# Altium PCB AGV.PcbDoc (part 2 of 2)
Units mil, origin at the board's own origin, x right, y up, seen from the top; angles counter-clockwise.
Board outline 3930 x 3440 mil, 2 copper layers (Top Layer, Bottom Layer); 202 components, 111 nets, 673 pads, 143 vias.
Unrouted connection lines stored in the file: 5.
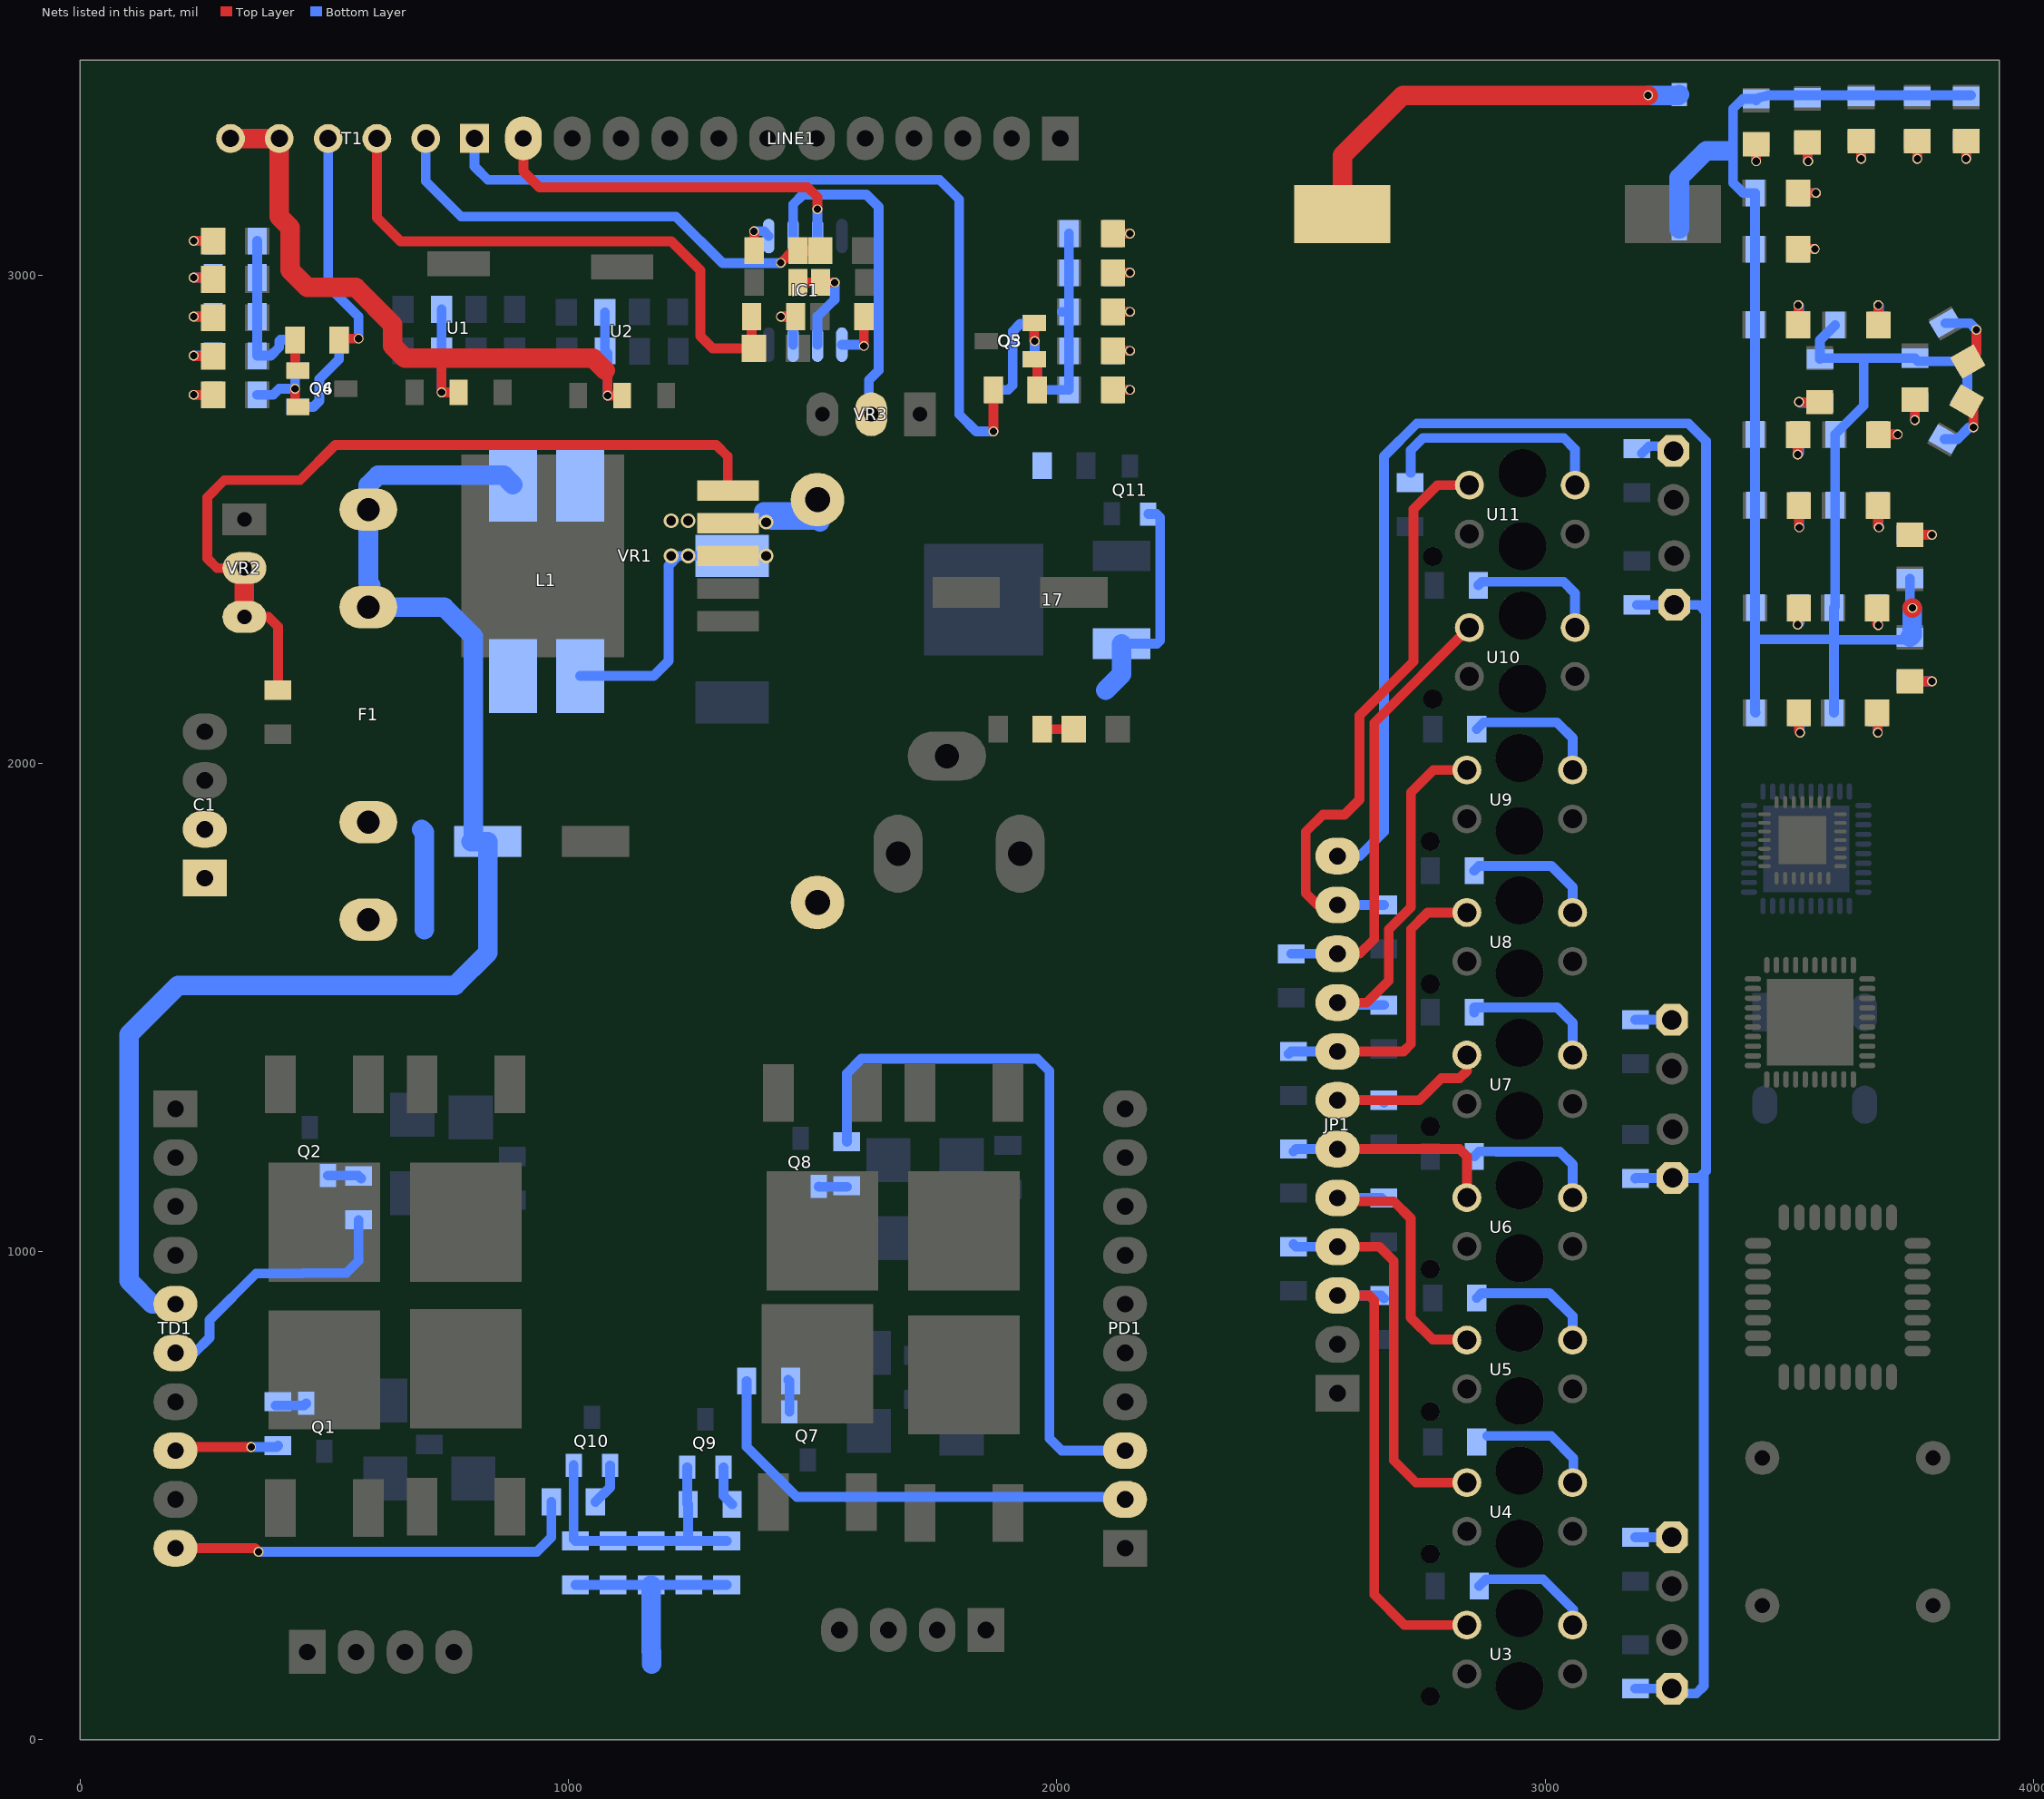
[diagram p2: the nets of this part, all layers, seen from the top]

## Via types
v1: diameter 20, hole 15, Top Layer to Bottom Layer, 87 vias
v2: diameter 30, hole 15, Top Layer to Bottom Layer, 27 vias
v3: diameter 30, hole 20, Top Layer to Bottom Layer, 16 vias
v4: diameter 25.98, hole 12.99, Top Layer to Bottom Layer, tented top, 4 vias
v5: diameter 200, hole 150, Top Layer to Bottom Layer, 4 vias
v6: diameter 50, hole 50, Top Layer to Bottom Layer, 2 vias
v7: diameter 160, hole 120, Top Layer to Bottom Layer, 2 vias
v8: diameter 100, hole 80, Top Layer to Bottom Layer, 1 vias

## Nets (pads, with @x,y where several pads share a name; then routed paths per layer and width w, separated by ;. In a path a pad name is that pad's centre, name@x,y a point inside that pad or via, vN(x,y) a via of type N, cw(c..) or ccw(c..) an arc to the next point about the centre after c; other vN are vias at no path point) (continued)
Net17_3: 17.3 Q11.3 R38.1 | length 469.4
  Bottom Layer w20: 17.3@2132.68,2245 2205,2245 2211.73,2251.73 2211.73,2503.27 2204.21,2510.79 Q11.3@2187.4,2510.79
  Bottom Layer w40: 2100,2150 2132.68,2182.68 17.3@2132.68,2245
NetBT1_1: BT1.1 SW1.1 | length 861.8
  Top Layer w40: BT1.1@2585,3125 2585,3245 2708.31,3368.31 v1(3211.27,3368.31)
  Bottom Layer w40: v1(3211.27,3368.31) 3273.31,3368.31 SW1.1@3275,3370
NetC1_1: C1.1 C1.2 F1.1 | length 208
  Bottom Layer w40: 699.37,1865 705,1859.37 705,1659.37
NetC4_1: C4.1 F1.2 L1.1 L1.2 R38.2 TD1.5 VR1.4 | length 3166.4
  Bottom Layer w40: TD1.5@195,892.5 147.5,892.5 100,940 100,1445 200,1545 767.5,1545 834.53,1612.03 C4.1@834.53,1840 C4.1@805,1840 ; C4.1@800,1840 C4.1@805,1840 ; L1.1@886.1,2570.87 866.97,2590 610,2590 590,2570 F1.2@590,2520 590,2370 595,2365 595,2324.63 590,2319.63 745.37,2319.63 805,2260 C4.1@805,1840 ; R38.2@1515,2495 1515,2498.31 1416.69,2498.31 1400,2515 1495.37,2515 1500,2519.63 1517.5,2502.13 R38.2@1517.5,2500
  other v3: 1405,2493.86 1210,2496.93 1245,2496.93
NetCx5_2: Cx5.2 Cx6.2 Cx7.2 Cx8.2 T1.5 T1.6 U1.2 U2.2 | length 1668.8
  Top Layer w20: 735,2830 740,2825 v1(740,2760) U1.2@775,2760 ; 1075,2804.9 1080,2799.9 v1(1080,2753.31) U2.2@1110,2753.31
  Top Layer w40: T1.6@307.6,3280 T1.5@407.6,3280 407.6,3119.83 430,3097.43 430,3010 465,2975 563.99,2975 640,2898.99 640,2855 665,2830 735,2830 1049.9,2830 1075,2804.9
  Bottom Layer w20: v1(740,2760) Cx6.2@740,2845 Cx5.2@740,2930 ; Cx7.2@1074.37,2923.99 1074.37,2845.63 Cx8.2@1075,2845 1080,2840 v1(1080,2753.31)
NetIC1_1: IC1.1 R14.2 | length 74.1
  Top Layer w20: R14.2@1380,3050 v1(1380,3090)
  Bottom Layer w20: v1(1380,3090) 1400,3090 IC1.1@1410,3080
NetIC1_2: IC1.2 VR3.2 | length 699
  Bottom Layer w20: IC1.2@1460,3080 1460,3145 1480,3165 1610,3165 1635,3140 1635,2805 1615,2785 1615,2715 VR3.2@1620,2710
NetIC1_3: IC1.3 JP1.12 LED15.1 LED17.1 LED19.1 LINE1.12 R39.2 R47.2 R55.2 | length 5346.8
  Top Layer w20: LINE1.12@907.5,3280 907.5,3212.5 940,3180 1490,3180 1510,3160 v1(1510,3135)
  Bottom Layer w20: IC1.3@1510,3080 v1(1510,3135) ; JP1.12@2575,1810 2620,1810 2670,1860 2670,2628.89 2737.57,2696.46 3293.54,2696.46 3330,2660 3330,2310 ; R55.2@3185,105 LED19.1@3260,105 3270,95 3310,95 3325,110 3325,1160 3315.87,1150.87 LED17.1@3261.26,1150.87 3185.87,1150.87 R47.2@3185,1150 ; R39.2@3188.27,2324.8 LED15.1@3264.53,2324.8 3315.2,2324.8 3330,2310 ; 3330,1165 3330,2310
NetIC1_5: IC1.5 R25.2 | length 106.1
  Top Layer w20: v1(1605,2855) R25.2@1605,2915
  Bottom Layer w20: IC1.5@1560,2857.56 1602.44,2857.56 v1(1605,2855)
NetIC1_6: IC1.6 R26.2 R30.1 | length 217.3
  Top Layer w20: R26.2@1470,2985 R30.1@1516.25,2985 v1(1545,2985)
  Bottom Layer w20: IC1.6@1510,2857.56 1510,2915.61 1542.57,2948.19 1543.19,2948.19 1545,2950 v1(1545,2985)
NetIC1_7: IC1.7 R27.2 | length 106.6
  Top Layer w20: v1(1435,2915) R27.2@1465,2915
  Bottom Layer w20: v1(1435,2915) 1450,2915 1460,2905 IC1.7@1460,2857.56
NetJP1_3: JP1.3 R41.2 U3.COLL | length 994.9
  Top Layer w20: JP1.3@2575,910 2640,910 2650,900 2650,297.4 2712.2,235.2 U3.COLL@2840,235.2
  Bottom Layer w20: JP1.3@2575,910 2664.19,910 R41.2@2670,904.19
NetJP1_4: JP1.4 R43.2 U4.COLL | length 796.2
  Top Layer w20: JP1.4@2575,1010 2660.66,1010 2690,980.66 2690,572.5 2735.45,527.05 U4.COLL@2840,527.05
  Bottom Layer w20: R43.2@2485,1015 2490,1010 JP1.4@2575,1010
NetJP1_5: JP1.5 R45.2 U5.COLL | length 601.7
  Top Layer w20: JP1.5@2575,1110 2581.98,1103.02 2690,1103.02 2725,1068.02 2725,864.83 2769.83,820 2838.9,820 U5.COLL@2840,818.9
  Bottom Layer w20: JP1.5@2575,1110 2665,1110 R45.2@2670,1105
NetJP1_6: JP1.6 R50.2 U6.COLL | length 447.5
  Top Layer w20: JP1.6@2575,1210 2825,1210 2840,1195 U6.COLL@2840,1110.75
  Bottom Layer w20: R50.2@2485,1205 2490,1210 JP1.6@2575,1210
NetJP1_7: JP1.7 R52.2 U7.COLL | length 419.5
  Top Layer w20: JP1.7@2575,1310 2742.5,1310 2787.5,1355 2825,1355 2840,1370 U7.COLL@2840,1402.6
  Bottom Layer w20: JP1.7@2575,1310 2665,1310 R52.2@2670,1305
NetJP1_8: JP1.8 R54.2 U8.COLL | length 622.6
  Top Layer w20: JP1.8@2575,1410 2710,1410 2725.51,1425.51 2725.51,1660.51 2759.45,1694.45 U8.COLL@2840,1694.45
  Bottom Layer w20: R54.2@2475,1405 2480,1410 JP1.8@2575,1410
NetJP1_9: JP1.9 R57.2 U9.COLL | length 758.5
  Top Layer w20: JP1.9@2575,1510 2635,1510 2680,1555 2680,1660 2725.51,1705.51 2725.51,1940.51 2771.3,1986.3 U9.COLL@2840,1986.3
  Bottom Layer w20: JP1.9@2575,1510 2580,1505 R57.2@2670,1505
NetJP1_10: JP1.10 R59.2 U10.COLL | length 901.3
  Top Layer w20: JP1.10@2575,1610 2620,1610 2650,1640 2650,2083.15 U10.COLL@2845,2278.15
  Bottom Layer w20: R59.2@2480,1610 JP1.10@2575,1610
NetJP1_11: JP1.11 R61.2 U11.COLL | length 1208.6
  Top Layer w20: JP1.11@2575,1710 2534.44,1710 2510,1734.44 2510,1860 2545,1895 2589.48,1895 2620,1925.52 2620,2098.15 2730.51,2208.66 2730.51,2520.51 2780,2570 U11.COLL@2845,2570
  Bottom Layer w20: JP1.11@2575,1710 R61.2@2670,1710
NetL1_3: L1.3 L1.4 SS1.1 VR1.3 | length 527.2
  Bottom Layer w20: L1.3@1023.9,2179.14 1174.14,2179.14 1205,2210 1205,2405 1225,2425 SS1.1@1335,2425
  other v3: 1210,2425 1245,2425 1405,2425
NetLED1_1: LED1.1 R14.1 T1.2 | length 975.1
  Top Layer w20: v1(1434.76,3025.24) 1459.53,3050 R14.1@1470,3050 LED1.1@1515,3050
  Bottom Layer w20: T1.2@707.6,3280 707.6,3192.4 780,3120 1220,3120 1315.43,3024.57 1434.1,3024.57 v1(1434.76,3025.24)
NetLED2_1: LED2.1 R18.2 | length 70
  Top Layer w20: LED2.1@2115,2925 v1(2150,2925)
  Bottom Layer w20: R18.2@2115,2925 v1(2150,2925)
NetLED3_1: LED3.1 R19.2 | length 70
  Top Layer w20: LED3.1@2115,3085 v1(2150,3085)
  Bottom Layer w20: R19.2@2115,3085 v1(2150,3085)
NetLED4_1: LED4.1 R23.2 | length 81
  Top Layer w20: v1(232.5,2915) 270,2915 LED4.1@272.5,2912.5
  Bottom Layer w20: v1(232.5,2915) R23.2@272.5,2915
NetLED5_1: LED5.1 R24.2 | length 80
  Top Layer w20: v1(232.5,2755) LED5.1@272.5,2755
  Bottom Layer w20: v1(232.5,2755) R24.2@272.5,2755
NetLED6_1: LED6.1 R15.2 | length 70
  Top Layer w20: LED6.1@2115,3005 v1(2150,3005)
  Bottom Layer w20: R15.2@2115,3005 v1(2150,3005)
NetLED7_1: LED7.1 R20.2 | length 81.6
  Top Layer w20: v1(232.5,2995) 268.75,2995 LED7.1@272.5,2991.25
  Bottom Layer w20: v1(232.5,2995) R20.2@272.5,2995
NetLED8_1: LED8.1 R16.2 | length 70
  Top Layer w20: LED8.1@2115,2765 v1(2150,2765)
  Bottom Layer w20: R16.2@2115,2765 v1(2150,2765)
NetLED9_1: LED9.1 R17.2 | length 70
  Top Layer w20: LED9.1@2115,2845 v1(2150,2845)
  Bottom Layer w20: R17.2@2115,2845 v1(2150,2845)
NetLED10_1: LED10.1 R21.2 | length 80
  Top Layer w20: v1(232.5,3070) LED10.1@272.5,3070
  Bottom Layer w20: v1(232.5,3070) R21.2@272.5,3070
NetLED11_1: LED11.1 R22.2 | length 80.5
  Top Layer w20: v1(232.5,2835) 233.75,2833.75 LED11.1@272.5,2833.75
  Bottom Layer w20: v1(232.5,2835) R22.2@272.5,2835
NetLED12_1: LED12.1 R27.1 T1.3 | length 1191.9
  Top Layer w20: T1.3@607.6,3280 607.6,3117.4 655.83,3069.17 1210.83,3069.17 1270,3010 1270,2875 1295,2850 LED12.1@1380,2850 1375,2855 R27.1@1375,2915
NetLED13_1: LED13.1 R36.2 | length 65
  Top Layer w20: R36.2@1970,2070 LED13.1@2035,2070
NetLED14_1: LED14.1 R46.2 | length 83.8
  Bottom Layer w20: R46.2@3198.27,2634.8 3213.47,2650 3233.07,2650 LED14.1@3263.27,2619.8
NetLED16_1: LED16.1 R48.2 | length 75.1
  Bottom Layer w20: R48.2@3185,1475 3185.2,1474.8 LED16.1@3260,1474.8
NetLED18_1: LED18.1 R62.2 | length 75
  Bottom Layer w20: R62.2@3185,415 LED18.1@3260,415
NetLED20_1: LED20.1 R63.2 | length 74.1
  Top Layer w20: v1(3862.5,3238.31) LED20.1@3862.5,3274.61
  Bottom Layer w20: v1(3862.5,3238.31) R63.2@3862.5,3276.11
NetLED21_1: LED21.1 R64.2 | length 74.2
  Top Layer w20: LED21.1@3762.4,3274.61 3762.5,3274.51 v1(3762.5,3238.31)
  Bottom Layer w20: R64.2@3762.4,3276.11 3762.4,3238.41 v1(3762.5,3238.31)
NetLED22_1: LED22.1 R65.2 | length 74.1
  Top Layer w20: v1(3647.5,3238.31) LED22.1@3647.5,3274.61
  Bottom Layer w20: v1(3647.5,3238.31) R65.2@3647.5,3276.11
NetLED23_1: LED23.1 R66.2 | length 79.5
  Top Layer w20: LED23.1@3537.5,3271.76 3537.5,3234.6 v1(3538.79,3233.31)
  Bottom Layer w20: R66.2@3537.5,3273.31 3537.5,3234.6 v1(3538.79,3233.31)
NetLED24_1: LED24.1 R67.2 | length 72.9
  Top Layer w20: v1(3432.5,3233.31) LED24.1@3432.5,3268.31
  Bottom Layer w20: v1(3432.5,3233.31) R67.2@3432.5,3271.18
NetLED25_1: LED25.1 R68.2 | length 70.9
  Top Layer w20: LED25.1@3518.78,3168.31 v1(3555,3168.31)
  Bottom Layer w20: R68.2@3520.28,3168.31 v1(3555,3168.31)
NetLED26_1: 
NetLED27_1: LED27.1 R70.2 | length 66.2
  Top Layer w20: LED27.1@3518.78,3053.31 3519.09,3053.63 v1(3552.5,3053.63)
  Bottom Layer w20: R70.2@3520.28,3053.31 3552.18,3053.31 v1(3552.5,3053.63)
NetLED28_1: LED28.1 R71.2 | length 81.2
  Top Layer w20: LED28.1@3518.78,2898.31 v1(3518.78,2938.57)
  Bottom Layer w20: v1(3518.78,2938.57) 3520.28,2937.08 R71.2@3520.28,2898.31
NetLED29_1: LED29.1 R72.2 | length 82.5
  Top Layer w20: LED29.1@3682.5,2897.63 v1(3682.5,2938.57)
  Bottom Layer w20: v1(3682.5,2938.57) 3684,2937.08 R72.2@3684,2897.63
NetLED30_1: LED30.1 R73.2 | length 78.4
  Top Layer w20: v1(3757.5,2703.31) LED30.1@3757.5,2745
  Bottom Layer w20: v1(3757.5,2703.31) R73.2@3757.5,2740
NetLED31_1: LED31.1 R74.2 | length 78.3
  Top Layer w20: LED31.1@3682.5,2673.31 3721.77,2673.31 v1(3722.27,2673.81)
  Bottom Layer w20: R74.2@3684,2673.81 v1(3722.27,2673.81)
NetLED32_1: LED32.1 R75.2 | length 83.7
  Top Layer w20: v1(3517.5,2632.53) 3517.5,2672.03 LED32.1@3518.78,2673.31
  Bottom Layer w20: v1(3517.5,2632.53) 3520.28,2635.3 R75.2@3520.28,2673.81
NetLED33_1: LED33.1 R76.2 | length 86.2
  Top Layer w20: v1(3520.28,2740.47) 3520.75,2740 LED33.1@3562.5,2740
  Bottom Layer w20: v1(3520.28,2740.47) 3522.44,2738.31 R76.2@3563.18,2738.31
NetLED34_1: LED34.1 R77.2 | length 141.7
  Top Layer w20: LED34.1@3866.06,2823.31 3883.75,2841 v1(3883.75,2888.31)
  Bottom Layer w20: R77.2@3819.92,2901.6 3870.46,2901.6 v1(3883.75,2888.31)
NetLED35_1: LED35.1 R78.2 | length 127.7
  Top Layer w20: LED35.1@3863.56,2741.25 3877.5,2727.31 v1(3877.5,2688.31)
  Bottom Layer w20: R78.2@3818.49,2664.34 3844.93,2664.34 3868.9,2688.31 v1(3877.5,2688.31)
NetLED36_1: LED36.1 R79.2 | length 91.1
  Top Layer w20: LED36.1@3519.79,2528.31 3519.79,2484.26 v1(3520.75,2483.31)
  Bottom Layer w20: v1(3520.75,2483.31) 3520.75,2528.27 R79.2@3521.29,2528.81
NetLED37_1: LED37.1 R80.2 | length 91.5
  Top Layer w20: LED37.1@3682.02,2528.31 3682.02,2485.29 v1(3684,2483.31)
  Bottom Layer w20: R80.2@3683.52,2528.81 3683.52,2483.79 v1(3684,2483.31)
NetLED38_1: LED38.1 R81.2 | length 90
  Top Layer w20: LED38.1@3747.5,2468.31 v1(3792.5,2468.31)
  Bottom Layer w20: R81.2@3747.5,2468.41 3747.6,2468.31 v1(3792.5,2468.31)
NetLED39_1: LED39.1 R82.2 | length 71.2
  Top Layer w20: v1(3517.5,2284.23) 3517.5,2316.02 LED39.1@3519.79,2318.31
  Bottom Layer w20: v1(3517.5,2284.23) 3521.29,2288.02 R82.2@3521.29,2318.81
NetLED40_1: LED40.1 R83.2 | length 71.9
  Top Layer w20: LED40.1@3680.08,2318.31 3680.08,2285.73 v1(3682.5,2283.31)
  Bottom Layer w20: R83.2@3681.58,2318.81 3681.58,2284.23 v1(3682.5,2283.31)
NetLED41_1: LED41.1 R84.2 | length 82.1
  Top Layer w20: LED41.1@3519.79,2103.31 3519.79,2066.02 v1(3522.5,2063.31)
  Bottom Layer w20: R84.2@3521.29,2103.81 3521.29,2064.52 v1(3522.5,2063.31)
NetLED42_1: LED42.1 R85.2 | length 81.1
  Top Layer w20: LED42.1@3680.08,2103.31 3681.58,2101.81 v1(3681.58,2063.31)
  Bottom Layer w20: v1(3681.58,2063.31) R85.2@3681.58,2103.81
NetLED43_1: 
NetLED44_1: LED44.1 R87.2 | length 90.2
  Top Layer w20: LED44.1@3747.4,2168.31 v1(3792.5,2168.31)
  Bottom Layer w20: R87.2@3747.4,2168.31 v1(3792.5,2168.31)
NetLED45_1: 
NetLED46_1: 
NetLED47_1: 
NetPD1_2: PD1.2 R13.2 | length 954.4
  Bottom Layer w20: R13.2@1365,734.9 1365,600.07 1467.57,497.5 2135,497.5 PD1.2@2140,492.5
NetPD1_3: PD1.3 R12.1 | length 1495.6
  Bottom Layer w20: R12.1@1570,1225 1570,1365 1600,1395 1960,1395 1985,1370 1985,617.5 2010,592.5 PD1.3@2140,592.5
NetQ1_3: Q1.3 R5.1 | length 64.3
  Bottom Layer w20: R5.1@400,685 458.39,685 Q1.3@462.6,689.21
NetQ2_3: Q2.3 R4.2 | length 70
  Bottom Layer w20: Q2.3@507.4,1155.79 569.21,1155.79 R4.2@575,1150
NetQ3_1: Q3.1 Q5.1 R10.1 R15.1 R16.1 R17.1 R18.1 R19.1 | length 541
  Top Layer w20: Q3.1@1954,2902 1954,2866 v1(1955,2865)
  Bottom Layer w20: v1(1955,2865) 1955,2829.79 Q5.1@1953.21,2828.01 1960,2821.22 R10.1@1960,2765 R16.1@2025,2765 R17.1@2025,2845 R18.1@2025,2925 ; R18.1@2010,2925 R18.1@2025,2925 ; R19.1@2025,3085 R18.1@2025,2925
NetQ3_3: Q3.3 R8.2 | length 65
  Top Layer w20: Q3.3@1954.21,2827.6 1960,2821.81 R8.2@1960,2765
NetQ4_1: Q4.1 Q6.1 R11.1 R20.1 R21.1 R22.1 R23.1 R24.1 | length 560.4
  Top Layer w20: v1(440,2767.5) 440,2736.5 Q4.1@446,2730.5
  Bottom Layer w20: R24.1@362.5,2755 395,2755 407.5,2767.5 v1(440,2767.5) 440,2798.5 Q6.1@446,2804.5 440,2810.5 R11.1@440,2867.5 410,2867.5 407.5,2865 407.5,2852.5 390,2835 R22.1@362.5,2835 R23.1@362.5,2915 R20.1@362.5,2995 R21.1@362.5,3070
NetQ4_3: Q4.3 R9.2 | length 65
  Top Layer w20: R9.2@440,2867.5 440,2810.69 Q4.3@445.79,2804.9
NetQ5_3: Q5.3 R10.2 | length 205
  Bottom Layer w20: R10.2@1870,2765 1900.38,2765 1909.59,2774.21 1909.59,2853.02 1910,2853.43 1910,2885 1925,2900 1951.02,2900 Q5.3@1953.43,2902.41
NetQ6_3: Q6.3 R11.2 | length 190.9
  Bottom Layer w20: Q6.3@445.79,2730.1 477.6,2730.1 489.62,2742.12 489.62,2787.5 530,2827.88 R11.2@530,2867.5
NetQ7_3: Q7.3 R13.1 | length 66.9
  Bottom Layer w20: R13.1@1450,737.5 1452.6,734.9 Q7.3@1452.6,671.71
NetQ8_3: Q8.3 R12.2 | length 57.9
  Bottom Layer w20: Q8.3@1512.4,1133.29 1513.19,1132.5 R12.2@1570,1132.5
NetQ9_1: Q9.1 Q10.1 R28.1 R29.1 R31.1 R32.1 R33.1 R34.1 | length 619.1
  Bottom Layer w20: Q10.1@1010.6,562.54 1010.6,410.72 R29.1@1014,407.32 R32.1@1091.5,407.32 R33.1@1169,407.32 R28.1@1246.5,407.32 ; Q9.1@1243,558.32 1243,484.32 R31.1@1245,482.32 1245,408.82 R28.1@1246.5,407.32 ; R34.1@1324,407.32 R28.1@1246.5,407.32
NetQ9_3: Q9.3 R31.2 | length 83.1
  Bottom Layer w20: Q9.3@1317.4,558.11 1317.4,499.92 R31.2@1335,482.32
NetQ10_3: Q10.3 R35.2 | length 87.4
  Bottom Layer w20: R35.2@1055,487.32 1085,517.32 Q10.3@1085,562.32
NetR3_1: R3.1 VR1.5 VR2.2 VR2.3 | length 1706.9
  Top Layer w20: VR2.3@336.25,2300 385,2300 405,2280 R3.1@405,2150 ; VR2.2@336.25,2400 280,2400 260,2420 260,2545 295,2580 450,2580 522.28,2652.28 1302.72,2652.28 1326.34,2628.66 VR1.5@1326.34,2558.86
  Top Layer w40: VR2.3@336.25,2300 VR2.2@336.25,2400
NetR4_1: R4.1 TD1.6 | length 558.3
  Bottom Layer w20: TD1.6@195,792.5 233.75,792.5 265,823.75 265,860 360,955 454.31,955 455.31,956 545,956 570,981 R4.1@570,1065
NetR5_2: R5.2 TD1.8 | length 199.1
  Top Layer w20: TD1.8@210,592.5 217.5,600 v1(350,600)
  Bottom Layer w20: v1(350,600) 402.5,600 R5.2@405,602.5
NetR8_1: R8.1 T1.1 | length 1687.4
  Top Layer w20: v1(1870,2680) R8.1@1870,2765
  Bottom Layer w20: T1.1@807.6,3280 807.6,3222.4 835,3195 1760,3195 1800,3155 1800,2715 1835,2680 v1(1870,2680)
NetR9_1: R9.1 T1.4 | length 477.3
  Top Layer w20: R9.1@530,2867.5 532.5,2870 v1(570,2870)
  Bottom Layer w20: T1.4@507.6,3280 507.6,2977.4 570,2915 v1(570,2870) v1@569.68,2870.32
NetR28_2: R28.2 R29.2 R32.2 R33.2 R34.2 | length 472.7
  Bottom Layer w20: R29.2@1014,317.32 R32.2@1091.5,317.32 R33.2@1169,317.32 R28.2@1246.5,317.32 R34.2@1324,317.32
  Bottom Layer w40: R33.2@1169,317.32 1169,181 1170,180 1170,155
NetR35_1: R35.1 TD1.10 | length 842.9
  Top Layer w20: TD1.10@210,392.5 357.5,392.5 v1(365,385)
  Bottom Layer w20: v1(365,385) 935,385 965,415 R35.1@965,487.32
NetR37_2: R37.2
NetR40_2: R40.2 U3.A | length 256.6
  Bottom Layer w20: R40.2@2865,315 2879.21,329.21 2995.79,329.21 3058.27,266.73 U3.A@3058.27,235.2
NetR42_2: R42.2 U4.A | length 247.2
  Bottom Layer w20: 2881.74,622.5 3012.5,622.5 3058.27,576.73 U4.A@3058.27,525
NetR44_2: R44.2 U5.A | length 269
  Bottom Layer w20: R44.2@2860,905 2870,915 3009.19,915 3056.54,867.66 U5.A@3056.54,818.9
NetR49_2: R49.2 U6.A | length 284.4
  Bottom Layer w20: R49.2@2855,1195 2865,1205 2900.63,1205 2900.87,1204.76 3030.24,1204.76 3056.54,1178.46 U6.A@3056.54,1110.75
NetR51_2: R51.2 U7.A | length 290.3
  Bottom Layer w20: R51.2@2855.2,1490 2855.2,1500 3025,1500 3056.54,1468.46 U7.A@3056.54,1402.6
NetR53_2: R53.2 U8.A | length 275.7
  Bottom Layer w20: R53.2@2855,1780 2865,1790 3012.99,1790 3056.54,1746.46 U8.A@3056.54,1694.45
NetR56_2: R56.2 U9.A | length 281.2
  Bottom Layer w20: R56.2@2860,2070 2874.13,2084.13 3024.13,2084.13 3056.54,2051.73 U9.A@3056.54,1986.3
NetR58_2: R58.2 U10.A | length 281.5
  Bottom Layer w20: R58.2@2863.27,2364.8 2870.63,2372.16 3037.84,2372.16 3061.54,2348.46 U10.A@3061.54,2278.15
NetR60_2: R60.2 U11.A | length 476.3
  Bottom Layer w20: 2725,2595 2725,2641.46 2750,2666.46 3038.54,2666.46 3061.54,2643.46 U11.A@3061.54,2570
NetR63_1: R63.1 R64.1 R65.1 R66.1 R67.1 R68.1 R70.1 R71.1 R72.1 R73.1 R74.1 R75.1 R76.1 R77.1 R78.1 R79.1 R80.1 R81.1 R82.1 R83.1 R84.1 R85.1 R87.1 SW1.2 | length 3666.9
  Bottom Layer w20: R84.1@3431.29,2103.81 3430.28,2104.83 3430.28,2258.31 ; R67.1@3432.5,3358.31 3437.5,3363.31 3457.5,3368.31 R63.1@3872.5,3368.31 ; R67.1@3432.5,3361.18 3405.37,3361.18 3385,3340.81 3385,3189.19 3405.88,3168.31 R68.1@3430.28,3168.31 R70.1@3430.28,3053.31 R71.1@3430.28,2898.31 R75.1@3430.28,2673.81 3430.28,2258.31 ; R85.1@3591.58,2103.81 3591.58,2258.31 ; R72.1@3594,2897.63 3563.18,2866.81 R76.1@3563.18,2828.31 3564.87,2830 3652.5,2830 ; R87.1@3747.4,2258.31 3742.4,2253.31 3596.58,2253.31 3591.58,2258.31 ; R81.1@3747.5,2378.41 3747.5,2323.31 v1(3752.5,2318.31) ; R78.1@3863.49,2742.28 3864.92,2743.72 R77.1@3864.92,2823.66 3763.85,2823.66 R73.1@3757.5,2830 3652.5,2830 ; 3430.28,2258.31 3434.35,2254.23 3587.5,2254.23 3591.58,2258.31 ; 3591.58,2258.31 R83.1@3591.58,2318.81 3594,2321.23 R74.1@3594,2673.81 3652.5,2732.31 3652.5,2830
  Bottom Layer w40: SW1.2@3275,3094.41 3275,3200 3330,3255 3375,3255 ; R87.1@3747.4,2258.31 3752.5,2263.41 v1(3752.5,2318.31)
pads on no net: Designator2.1 Designator2.2 Designator2.3 Designator2.4 Designator2.5 Designator2.6 Designator2.7 Designator2.8 Designator2.9 Designator2.10 Designator2.11 Designator2.12 Designator2.13 Designator2.14 Designator2.15 Designator2.16 Designator2.17 Designator2.18 Designator2.19 Designator2.20 Designator2.21 Designator2.22 Designator2.23 Designator2.24 Designator2.25 Designator2.26 Designator2.27 Designator2.28 Designator2.29 Designator2.30 Designator2.31 Designator2.32 Designator3.1 Designator3.2 Designator3.3 Designator3.4 Designator3.5 Designator3.6 Designator3.7 Designator3.8 Designator3.9 Designator3.10 Designator3.11 Designator3.12 Designator3.13 Designator3.14 Designator3.15 Designator3.16 Designator3.17 Designator3.18 Designator3.19 Designator3.20 Designator3.21 Designator3.22 Designator3.23 Designator3.24 Designator3.25 Designator3.26 Designator3.27 Designator3.28 Designator3.29 Designator4.1 Designator4.2 Designator4.3 Designator4.4 Designator4.5 Designator4.6 Designator4.7 Designator4.8 Designator4.9 Designator4.10 Designator4.11 Designator4.12 Designator4.13 Designator4.14 Designator4.15 Designator4.16 Designator4.17 Designator4.18 Designator4.19 Designator4.20 Designator4.21 Designator4.22 Designator4.23 Designator4.24 Designator4.25 Designator4.26 Designator4.27 Designator4.28 Designator4.29 Designator4.30 Designator4.31 Designator4.32 Designator4.33 Designator4.34 Designator4.35 Designator4.36 Designator4.37 Designator4.38 Designator4.39 Designator4.40 Designator4.41 Designator5.1 Designator5.2 Designator5.3 Designator5.4 Designator5.5 Designator5.6 Designator5.7 Designator5.8 Designator5.9 Designator5.10 Designator5.11 Designator5.12 Designator5.13 Designator5.14 Designator5.15 Designator5.16 Designator5.17 Designator5.18 Designator5.19 Designator5.20 Designator5.21 Designator5.22 Designator5.23 Designator5.24 Designator5.25 Designator5.26 Designator5.27 Designator5.28 Designator5.29 Designator5.30 Designator5.31 Designator5.32 Designator5.33 Designator5.34 Designator5.35 Designator5.36 Designator5.37 Designator5.38 Designator5.39 Designator5.40 Designator5.41 Designator11.1 Designator11.2 Designator11.3 Designator11.4 FUSE.1 FUSE.2 JDC1.3 LINE1.3 LINE1.4 LINE1.5 LINE1.6 LINE1.7 LINE1.8 LINE1.9 LINE1.10 LINE1.11 PD1.1 PD1.4 Res.1 Res.2 TD1.7 TD1.9 U1.4 U2.4 U3.None U4.None U5.None U6.None U7.None U8.None U9.None U10.None U11.None VR1.2 VR1.6
copper on no net: | length 2669.3
  Bottom Layer w10: v1(2380,30) v1(2380,2699.32)
  other v4: 3503.62,1819.09 3550.87,1819.09 3503.62,1866.34 3550.87,1866.34
  other v5: 146,140 2186,140 146,3270 2186,3270
  other v6: 2742.48,3128.94 3057.44,3128.94
  other v8: 3630,130

## Polygon pours and split planes (outlines as drawn)
GND on Top Layer "GND_L01_P018" (hatched 90Degree grid 20 track 10, pour order 18): 2429.62,2730.5 3354.5,2730.5 3355,2730 3355,0 2419.61,0
GND on Top Layer "Top Layer-GND" (hatched 90Degree grid 20 track 10, pour order 7): 15,3405 15,10 2325,10 2325,3405
GND on Bottom Layer "GND_L02_P016" (hatched 90Degree grid 20 track 10, pour order 16): 3345,0 3350,5 3350,2725 2420,2725 2420,0
GND on Bottom Layer "Bottom Layer-GND" (hatched 90Degree grid 20 track 10, pour order 14): 10,3415 10,10 2335,10 2335,3420
no net on Bottom Layer "Bottom Layer-No Net" (solid, pour order 12): 20,3410
no net on Bottom Layer "Bottom Layer-No Net 1" (solid, pour order 8): 40,3380

## Keep-outs
Keep-Out Layer:
  lines w10: 0,0 2380,0 2380,3440 0,3440 0,0

## Other copper
Top Layer:
  region net Net9_3: 1645,417.5 1645,447.32 1632.32,460 1627.32,455 1580,455 1580,440 1565,425 1565,298.33 1579.17,284.17 1580.71,285.71
  region net GND: 1995,1730 1945,1680 1940,1685 1940,1730
  region net GND: 1277.5,1570 1275.87,1570 1220.87,1515 1200.16,1535.71 1200.16,1580
  region net GND: 1372.5,1770 1375,1767.5 1375,1675 1406.25,1643.75 1397.5,1635 1208.56,1635
  region net GND: 1236.94,1645 1824.29,1645 1855,1692.78 1855,1740 1855,1775 1973.52,1775 1970,1771.48 1970,1655 1880,1565 1207.5,1565 1207.5,1602.69 1190.19,1620
  region net GND: 1415,925 1415,875 1606.25,875 1606.25,940
  region net GND: 1177.59,1945 1210,1945 1240,1915 1264.14,1939.14 1264.14,1955
  region net GND: 1377.5,1981.25 1377.5,1767.5 1225,1615 1225,1545.82 1101.3,1545.82 1070,1577.12 1225,1732.11 1225,1955.14
  region net GND: 1225,1545.82 1070,1577.12 1070,730 1073.98,730 1225,730
  region net GND: 390,1180 305,1180 305,950 310,940 415,940
  region net GND: 200,2090 65,2090 35,2060 35,990 85,940 345,940 345,1550 185,1710 185,1930 191.25,1930 205,1943.75
  region net GND: 1276.64,2115 1251.64,2090 1269.29,2090 1284.29,2075
  region net GND: 225,2100 205,2100 170,2065 170,1980 185,1965
  region net GND: 206.25,2098.75 180,1968.75 205,1943.75 1340,1943.75 1377.5,1981.25 1377.5,2288.75 1280,2288.75 1275,2293.75 1270,2288.75 1270,2098.75
  region net Net1_2: 1983.86,831.25 2186.25,831.25 2220,865 2220,1030 2185,1065 1995,1065 1963.17,1033.17 1963.17,982.99
  region net Net1_2: 1983.86,831.25 1766.14,831.25 1741.14,856.25 1741.14,926.25 1767.14,952.25 1932.43,952.25 1963.17,982.99
  region net GND: 2095,2317.92 2122.92,2290 2130,2290 2130,2323.96 2115,2338.96
  region net GND: 2100,2380 2190,2380 2202.92,2367.08 2202.92,2317.92 2095,2317.92
  region net Net17_2: 1730,2390 1765,2390 1775,2380 1775,2317.92 1757.92,2317.92 1745,2305
  region net NetL1_3: 1180,2455 1170,2445 1170,2410.19 1185.19,2395 1415,2395 1425,2405 1425,2445 1415,2455
  region net NetC4_1: 1260,2470
  region: 1425,2560
  region net NetC4_1: 1415,2465 1425,2475 1425,2514.63 1414.63,2525 1195.37,2525 1185,2514.63 1185,2475 1195,2465
  region net GND: 2195,2375 2210,2360 2210,2317.92 2202.92,2317.92 2185,2300
  region net GND: 2210,2330.42 2210,1795 2140,1725 1905,1725 1855,1775 1855,1870 1890,1905 2085,1905 2120,1940 2120,2322.92
  region net Net17_2: 1675,1937.5 1735,1877.5 1735,1745 1715,1725 1595,1725 1545,1775 1545,2345 1590,2390 1730,2390 1745,2375 1745,2305 1740,2305 1675,2240
  region: 1430,2855
  region net Net10_3: 1750,1327.5 1815,1327.5 1825,1317.5 1825,1287.5 1815,1277.5 1750,1277.5
  region net Net1_2: 1745,930 1745,860 1865,860 1870,855 1870,940
  region net GND: 1460,927.5 1460,857.5 1580,857.5 1585,852.5 1585,937.5
  region net Net10_3: 1400,1267.5 1340,1267.5 1340,1407.5 1335,1412.5 1345,1422.5 1410,1422.5
  region net Net2_3: 440,1395 440,1420 460,1440 650,1440 665,1425 665,1392.5 727.5,1392.5 730,1390 732.5,1392.5 732.5,1432.5 745,1445 890.1,1445 925,1410.1 925,260 900,235 655,235 625,205 625,155 645,135 660,125 1000,125 1055.47,180.47 1055.47,1494.53 995,1555 435,1555 380,1500 380,1365 390,1355
  region net Net1_3: 420,175 420,130 430,120 595,120 610,135 610,260 676.67,326.67
  region net Net1_3: 560,420 545,405 480,405 420,345 420,175 425,175 565,315
  region net Net10_3: 1685,1375 1685,1402.5 1675,1412.5 1475,1412.5 1465,1402.5 1465,1375 1425,1375 1365,1315 1365,320 1420,265 1672.5,265 1695,242.5 1695,145 1675,125 1282.5,125 1240,167.5 1240,1495 1300,1555 1710,1555 1755,1510 1755,1347.5 1705,1347.5
  region net Net9_3: 1935,411.96 1935,182.5 1915,162.5 1735,162.5 1715,182.5 1715,267.5 1700,282.5 1582.08,282.5 1575,289.58 1575,417.5 1645,417.5 1645,382.5 1660,367.5 1850,367.5 1865,382.5 1865,414.46
  region: 840,1385
  region net Net2_3: 811.25,1383.75 820,1375 820,1355 810,1345 798.33,1345
  region net Net2_3: 798.33,1345 730,1345 730,1390 735,1385 810,1385 811.25,1383.75
  region: 730,1400
  region net Net1_2: 725,945 725,875 845,875 850,870 850,955
  region net GND: 435,940 435,870 555,870 560,865 560,950
  region: 780,1030
  region net Net1_3: 850,420 850,415 840,405
  region net Net1_3: 620,420 640,400 600,400 610,410 610,415
  region net Net1_3: 425,215 460,180 507.5,180 612.5,285 891.67,285 910,303.33 910,420 855,420 840,405 630,405 620,415 560,415 425,280
  region net Net1_3: 850,420 850,400 910,400 910,420
  region net Net1_3: 560,420 560,400 620,400 620,420
  region: 555,415
Bottom Layer:
  region net GND: 1210,1008.75 1137.94,1008.75 1110.19,981 1110.19,760 1133.94,736.25 1205,736.25
  region net GND: 1210,1008.75 1260,960 1580,960 1610,930 1610,840 1565,795 1262.5,795 1205,737.5
  region net NetC4_1: 1407.5,2575.86 1415.86,2575.86 1435,2595 1550.61,2595 1569.75,2575.86
  region net NetC4_1: 1416.82,2575
  region net Net1_2: 2033,1344.36 2033,1351.14 1958,1426.14 1964.36,1432.5 2058,1432.5
  region net Net1_2: 2045,1585 2165,1585 2220,1530 2220,784 2186,750 2060,750 2030,780 2030,1448.75
  region net Net1_2: 1395,1665.64 1395,1658.86 1470,1583.86 1463.64,1577.5 1370,1577.5
  region net Net1_2: 1188.5,1580 1195.28,1580 1270.28,1655 1276.64,1648.64 1276.64,1555
  region net Net1_2: 1265,2085 1265,1580 1275,1570 1405,1570 1405,2085 1398.33,2091.67
  region net Net1_2: 1145.64,1425 1138.86,1425 1063.86,1350 1057.5,1356.36 1057.5,1450
  region net Net1_2: 1080,1585 1015,1585 945,1515 970,1490 1085,1490
  region net Net1_2: 1049.31,1465.69 1095,1420 2042.5,1420 2100,1477.5 2100,1530 2045,1585 1078.41,1585
  region net Net1_2: 967.73,840 750,840 725,865 725,935 751,961 916.3,961 947.04,991.74
  region net Net1_2: 740,940 725,925 725,895 740,880 945,880 945,940
  region: 725,940
  region net Net1_2: 1091.5,1526.5 945,1514.87 945,840 1056.77,840 1091.5,892.5 1091.5,898.5
  region net Net17_3: 1477.5,2190 1455,2167.5 1455,2115 1485,2145 1525,2145
  region net NetC4_1: 1161.04,2633.96 1219.14,2575.86 1569.14,2575.86 1580,2565 1580,2485 1555,2460 1450,2460 1430,2480 1200,2480 1176.9,2503.1
  region net Net17_3: 1510,2182.5 1452.6,2125.1 1452.6,1657.4 1470,1640 1560,1640 1577.5,1657.5 1577.5,2077.5 1602.5,2102.5 1607.5,2102.5
  region: 660,2715
  region net NetC4_1: 845,2635 570,2635 520,2585 520,2297.5 572.5,2245 735,2245 775,2285 775,2480 805,2510 855,2510
  region net NetL1_3: 1260,2470 1180,2470 1140,2430 1140,2275 1105,2240 1050,2240 1050,2135 1065,2120 1187.5,2120 1235,2167.5 1235,2355 1265,2385 1308.57,2385
  region net NetC4_1: 1070,2640 1155,2640 1174.14,2620.86 1174.14,2575.86 1220,2530 1415,2530 1425,2520 1425,2490 1415,2480 1195,2480 1169.21,2505.79 1060,2505.79
  region net NetL1_3: 902.5,2255 997.5,2255 997.5,2125 977.5,2105 917.5,2105
  region net NetC4_1: 912.5,2645 1007.5,2645 1007.5,2515 987.5,2495 927.5,2495
  region net Net17_2: 1760,2450 1700,2450 1665,2415 1665,2255 1700,2220 1745,2220
  region: 1725,2445
  region net Net17_3: 1477.5,2102.5 2155,2102.5 2182.5,2130 2182.5,2215 2097.5,2215 2092.5,2220 2087.5,2215 2087.5,2205 2072.5,2190 1477.5,2190
  region net NetC1_1: 510,1910 545,1945 647.5,1945 682.5,1910 660,1910 600,1850
  region net NetC1_1: 740,1880 710,1910 206.25,1910 181.25,1885 181.25,1730 196.25,1715 241.25,1715 336.25,1620 720,1620 740,1640
  region net GND: 1618.75,928.5 1487.35,928.5 1478.75,919.9 1478.75,882.5 1488.75,872.5 1621.25,872.5
  region net Net1_2: 1835,832.5 1835,992.5 1830,997.5 1780,997.5 1780,817.5 1775,812.5
  region: 1755,1325.18
  region net GND: 595,936 463.6,936 455,927.4 455,890 465,880 597.5,880
  region net GND: 715,1075 715,970 655,910 655,725 600,725 595,730 595,936 645,986 645,1095 650,1100
  region net Net1_2: 765,1070 765,725 840,725 840,1075

## Silkscreen, mask and mechanical layers (free items; w line width, h text height)
Top Overlay:
  text "-" at 3860,3175 h80
  text "-" at 3885,3148.86 h40
  text "-" at 3885,3109.48 h40
  text "-" at 3885,3070.11 h40
  text "-" at 3885,3030.73 h40
  text "-" at 3885,2991.36 h40
  text "-" at 3885,2951.98 h40
  text "-" at 3885,2912.61 h40
  text "-" at 3885,2873.23 h40
  text "-" at 3885,2833.86 h40
  text "-" at 3860,2775.62 h80
  text "-" at 3880,2753.86 h40
  text "-" at 3880,2714.48 h40
  text "-" at 3880,2675.11 h40
  text "-" at 3880,2635.73 h40
  text "-" at 3880,2596.36 h40
  text "-" at 3880,2556.98 h40
  text "-" at 3880,2517.61 h40
  text "-" at 3880,2478.23 h40
  text "-" at 3880,2438.86 h40
  text "-" at 3855,2376.25 h80
  text "-" at 3880,2353.86 h40
  text "-" at 3880,2314.48 h40
  text "-" at 3880,2275.11 h40
  text "-" at 3880,2235.73 h40
  text "-" at 3880,2196.36 h40
  text "-" at 3880,2156.98 h40
  text "-" at 3880,2117.61 h40
  text "-" at 3880,2078.23 h40
  text "-" at 3880,2038.86 h40
  text "AGV Project" at 2540,2025 h50 r90
  text "-" at 3860,1976.87 h80
  text "This" at 3415,1970 h60
  text "-" at 3885,1953.86 h40
  text "isn't" at 3635,1920 h30
  text "-" at 3885,1914.48 h40
  text "-" at 3885,1875.11 h40
  text "-" at 3885,1835.73 h40
  text "only" at 3650,1830 h50
  text "-" at 3885,1796.36 h40
  text "-" at 3885,1756.98 h40
  text "an IC" at 3650,1750 h40
  text "-" at 3885,1717.61 h40
  text "-" at 3885,1678.23 h40
  text "This" at 3415,1640 h60
  text "-" at 3885,1638.86 h40
  text "-" at 3860,1577.5 h80
  text "is" at 3735,1555 h40
  text "-" at 3885,1555 h40
  text "-" at 3885,1515.62 h40
  text "-" at 3885,1476.25 h40
  text "-" at 3885,1436.88 h40
  text "my" at 3717.5,1420 h60
  text "-" at 3885,1397.5 h40
  text "-" at 3885,1358.12 h40
  text "-" at 3885,1318.75 h40
  text "-" at 3885,1279.38 h40
  text "-" at 3885,1240 h40
  text "Passion." at 3400,1225.93 h60
  text "-" at 3860,1181.87 h80
  text "-" at 3885,1160 h40
  text "I'll go for" at 3410,1140 h40
  text "-" at 3885,1120.62 h40
  text "-" at 3885,1081.25 h40
  text "-" at 3885,1041.88 h40
  text "-" at 3885,1002.5 h40
  text "-" at 3885,963.12 h40
  text "-" at 3885,923.75 h40
  text "-" at 3885,884.38 h40
  text "-" at 3885,845 h40
  text "-" at 3860,786.25 h80
  text "-" at 3885,765 h40
  text "-" at 3885,725.62 h40
  text "-" at 3885,686.25 h40
  text "won't fear about" at 3410,665 h30
  text "-" at 3885,646.88 h40
  text "-" at 3885,607.5 h40
  text "-" at 3885,568.12 h40
  text "AGV Project" at 1220,530 h100 r90
  text "-" at 3885,528.75 h40
  text "-" at 3885,489.38 h40
  text "or risk" at 3410,485 h30
  text "because of" at 3655,485 h20
  text "-" at 3885,450 h40
  text "my spirit" at 3415,415 h50
  text "-" at 3860,390.62 h80
  text "-" at 3885,370 h40
  text "&" at 3410,335 h60
  text "-" at 3885,330.62 h40
  text "-" at 3885,291.25 h40
  text "LamTran" at 2505.38,270 h60 r90
  text "-" at 3885,251.88 h40
  text "-" at 3885,212.5 h40
  text "-" at 3885,173.12 h40
  text "-" at 3885,133.75 h40
  text "LamTran" at 985,125 h60
  text "-" at 3885,94.38 h40
  text "-" at 3885,55 h40
  text "-" at 3860,-5 h80
Bottom Overlay:
  text "If my heart is a" at 3880,1980 h30
  text "You" at 3890,1775 h60
  text "already" at 3895,1710 h30
  text "Destroy my" at 3875,1600 h50
  text "Crys" at 3781.4,1530 h45 r90
  text "But" at 3890,1265 h60
  text "my head  still" at 3890,1225 h30 r90
  text "{" at 3445,1210 h80 r180
  text "-my power" at 3835,1195 h40
  text "for" at 3406.29,1130 h30 r270
  text "-coffee" at 3830,1130 h30
  text "me = Person()" at 3810,1060 h30
  text "while(me.alive()):" at 3810,1000 h25
  text "me.loveyou()" at 3770,935 h30
  text "me.code()" at 3770,875 h30
  text "compile" at 3883.75,770 h45
Drill Drawing:
  region: 1935,402.5

## Text inside footprints (layer, text, board x,y; h text height)
F1: Top Overlay "3A" at 651,1992.37 h196.85 r90